# Altium PCB BallastControlBoard_4902-003.PcbDoc (continued)
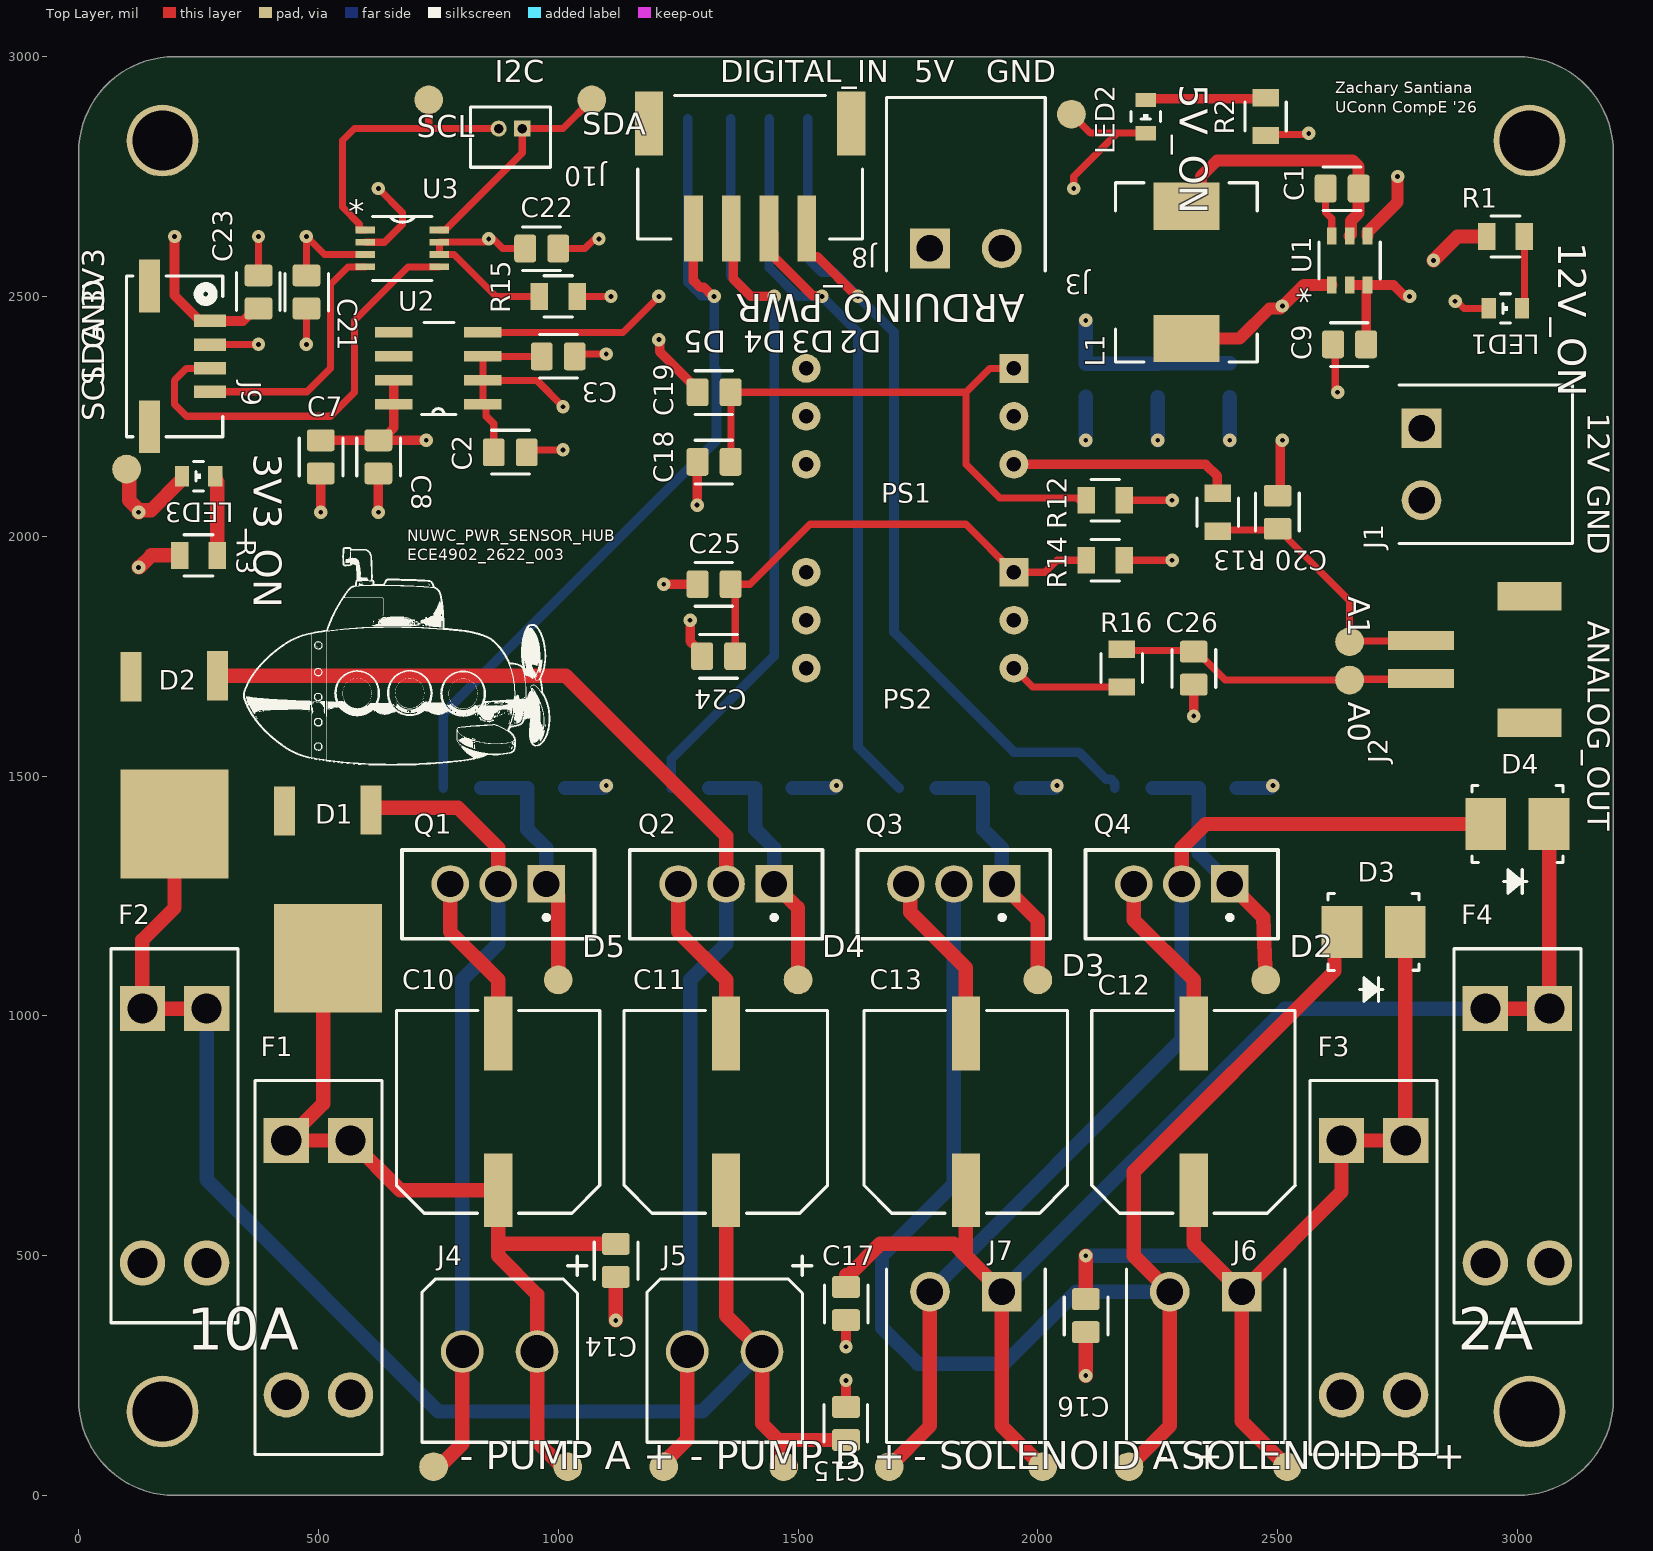
[diagram p0: Top Layer view]
## Board outline (continued)

## Design rules (kind name [scope] priority, off if disabled: settings)
Clearance [All] p1: gap=10 ignorepadtopadclearanceinfootprint=FALSE except(4.92: Arc-Arc Arc-Track Arc-SMDPad Arc-THPad Arc-Via Track-Track Track-SMDPad Track-THPad Track-Via; 6.89: SMDPad-SMDPad SMDPad-Text; 8: SMDPad-Via)
HoleSize [All] p1: absolutevalues=TRUE maxlimit=225 minlimit=7 maxpercent=80.000 minpercent=20.000
MinimumSolderMaskSliver [All] p1: minsoldermaskwidth=7.5
PlaneClearance [All] p1: clearance=20
PlaneConnect [All] p1: planeconnectstyle=Relief reliefexpansion=20 reliefentries=4 reliefconductorwidth=10 reliefairgap=10
PolygonConnect [All] p1: connectstyle=Relief reliefconductorwidth=10 reliefentries=4 polygonreliefangle="90 Angle" airgapwidth=10
RoutingVias [All] p1: holewidth=28 width=50 viastyle="Through Hole" minholewidth=28 minwidth=50 maxholewidth=28 maxwidth=50
SilkToSilkClearance [All] p1: silktosilkclearance=7.5
SilkToSolderMaskClearance [IsPad] p1: minsilkscreentomaskgap=7.5 clearancetoexposedcopper=FALSE
SolderMaskExpansion [All] p1: expansion=4 istentingtop=FALSE
SupplyNets "Schematic Supply Nets" [InNet('GND')] p1: voltage=0.000
Width [All] p1: maxlimit=30 minlimit=10 preferedwidth=15
24 further rules are at their usual default settings.

## Classes and differential pairs
component class NUWC_Ballast_Sensor_Power_Interface_Board: C1 C2 C3 C4 C5 C6 C7 C8 C9 C10 C11 C12 C13 C14 C15 C16 C17 C18 C19 C20 C21 C22 C23 C24 C25 C26 D2 F1 F2 F3 F4 J1 J3 J4 J5 J6 J7 J8 J9 J10 L1 LED1 LED2 LED3 PS1 PS2 Q1 Q2 Q3 Q4 R1 R2 R3 R4 R5 R6 R7 R8 R9 R10 R11 R12 R13 R14 R15 R16 U1

## Components (designator, comment, footprint, x,y, rotation, side; value= is the part's Value field where it differs from the comment)
C1 "C0805C104K3RACTU" CAP_0805_KEMET 2634.45,2725 r0 top value=0.1u
C2 "C0805C106K3PACTU" CAP_0805_KEMET 900,2175 r180 top value=10u
C3 "C0805C104K3RACTU" CAP_0805_KEMET 1000,2375 r180 top value=0.1u
C4 "CL21A226MAYNNNE" CAP_0805_SAMSUNG 2400,2325 r270 bottom value=22u
C5 "CL21A226MAYNNNE" CAP_0805_SAMSUNG 2250,2325 r270 bottom value=22u
C6 "C0805C104K3RACTU" CAP_0805_KEMET 2100,2325 r90 bottom value=0.1u
C7 "C0805C106K3PACTU" CAP_0805_KEMET 505,2165.55 r90 top value=10u
C8 "C0805C104K3RACTU" CAP_0805_KEMET 625,2165.55 r90 top value=0.1u
C9 "C0805C106K3PACTU" CAP_0805_KEMET 2650,2400 r0 top value=10u
C10 "UWT1E471MNL1GS" PCAP_10x10-ELECT_NCA 875,800 r90 top value=470u
C11 "UWT1E471MNL1GS" PCAP_10x10-ELECT_NCA 1350,800 r90 top value=470u
C12 "UWT1E471MNL1GS" PCAP_10x10-ELECT_NCA 2325,800 r90 top value=470u
C13 "UWT1E471MNL1GS" PCAP_10x10-ELECT_NCA 1850,800 r90 top value=470u
C14 "C0805C104K3RACTU" CAP_0805_KEMET 1120,490 r90 top value=0.1u
C15 "C0805C104K3RACTU" CAP_0805_KEMET 1600,150 r270 top value=0.1u
C16 "C0805C104K3RACTU" CAP_0805_KEMET 2100,375 r90 top value=0.1u
C17 "C0805C104K3RACTU" CAP_0805_KEMET 1600,400 r90 top value=0.1u
C18 "C0805C106K3PACTU" CAP_0805_KEMET 1325,2155 r0 top value=10u
C19 "C0805C104K3RACTU" CAP_0805_KEMET 1325,2300 r0 top value=0.1u
C20 "C0805C104K3RACTU" CAP_0805_KEMET 2500,2050 r270 top value=0.1u
C21 "C0805C104K3RACTU" CAP_0805_KEMET 475,2509.45 r90 top value=0.1u
C22 "C0805C104K3RACTU" CAP_0805_KEMET 965.55,2600 r0 top value=0.1u
C23 "C0805C104K3RACTU" CAP_0805_KEMET 375,2509.45 r270 top value=0.1u
C24 "C0805C106K3PACTU" CAP_0805_KEMET 1334.45,1750 r0 top value=10u
C25 "C0805C104K3RACTU" CAP_0805_KEMET 1325,1900 r0 top value=0.1u
C26 "C0805C104K3RACTU" CAP_0805_KEMET 2325,1725 r90 top value=0.1u
D1 "MBRD20100CT-13" MBRD20100CT_SHOT_DIODE 609.57,1429.06 r180 top
D2 "MBRD20100CT-13" MBRD20100CT_SHOT_DIODE 289.57,1709.06 r180 top
D3 "SS34" SHOTT_DIODE 2700,1175 r180 top
D4 "SS34" SHOTT_DIODE 3000,1400 r180 top
F1 "10A" FUSE_3557-2 500,475 r90 top
F2 "10A" FUSE_3557-2 200,750 r90 top
F3 "2A" FUSE_3557-2 2700,475 r90 top
F4 "2A" FUSE_3557-2 3000,750 r90 top
J1 "BATTERY INPUT" CUI_TBP02R1-381-02BE 2800,2225 r270 top
J2 "JST-PH" JST_S2B-PH-SM4-TB 2798.62,1743.11 r270 top
J3 "ARDUINO POWER" CUI_TBP02R1-381-02BE 1775,2600 r0 top
J4 "26607020" CONN_SD-42892-001_M450_02_MOL 955.91,300 r0 top
J5 "26607020" CONN_SD-42892-001_M450_02_MOL 1425,300 r0 top
J6 "BATTERY INPUT" CUI_TBP02R1-381-02BE 2425,425 r180 top
J7 "BATTERY INPUT" CUI_TBP02R1-381-02BE 1925,425 r180 top
J8 "4POS-JST-PH" JST_S4B-PH-SM4-TB 1400,2750 r180 top
J9 "SM04B-GHS-TB" CONN_SM04B-GHS-TB_JST 200,2375 r270 top
J10 "I2C Connector" MOLEX_530470210 925,2850 r0 top
L1 "15u" inductor 2300,2550 r270 top
LED1 "GRN-12V" LED_LGR971-KN-1_OSR 2975,2475 r180 top
LED2 "RED-5V" LED_LGR971-KN-1_OSR 2225,2875 r270 top
LED3 "YEL-3V3" LED_LGR971-KN-1_OSR 250,2125 r180 top
PS1 "Pressure Sensor" PCBComponent_1 1516.93,2350 r270 top
PS2 "Pressure Sensor" PCBComponent_1 1516.93,1925 r270 top
Q1 "IRLZ44N" IFX-PG-TO220-3-904-1 875,1275 r180 top
Q2 "IRLZ44N" IFX-PG-TO220-3-904-1 1350,1275 r180 top
Q3 "IRLZ44N" IFX-PG-TO220-3-904-1 1825,1275 r180 top
Q4 "IRLZ44N" IFX-PG-TO220-3-904-1 2300,1275 r180 top
R1 "CRCW08051K00FKEA" RESC2012X50N 2975,2625 r180 top value=750R
R2 "CRCW0805560RFKEA" RESC2012X50N 2475,2875 r90 top value=220R
R3 "CRCW0805120RFKEA" RESC2012X50N 250,1960 r180 top value=120R
R4 "CRCW080510K0FKEA" RESC2012X50N 975,1475 r0 bottom value=10K
R5 "CRCW080510K0FKEA" RESC2012X50N 1450,1475 r0 bottom value=10K
R6 "CRCW080510K0FKEA" RESC2012X50N 1925,1475 r0 bottom value=10K
R7 "CRCW080510K0FKEA" RESC2012X50N 2375,1475 r0 bottom value=10K
R8 "CRCW0805220RFKEA" RESC2012X50N 800,1475 r0 bottom value=220R
R9 "CRCW0805220RFKEA" RESC2012X50N 1275,1475 r0 bottom value=220R
R10 "CRCW0805220RFKEA" RESC2012X50N 1750,1475 r0 bottom value=220R
R11 "CRCW0805220RFKEA" RESC2012X50N 2200,1475 r0 bottom value=220R
R12 "CRCW080510R0FKEA" RESC2012X50N 2140.63,2075 r180 top value=10R
R13 "CRCW08051K00FKEA" RESC2012X50N 2375,2050 r270 top value=1K
R14 "CRCW080510R0FKEA" RESC2012X50N 2140.63,1950 r180 top value=10R
R15 "CRCW080510K0FKEA" RESC2012X50N 1000,2500 r180 top value=10K
R16 "CRCW08051K00FKEA" RESC2012X50N 2175,1725 r90 top value=1K
U1 "AP63205WU-7" SOIC_05WU-7_DIO 2650,2575 r90 top
U2 "MCP1727T-3302E/SN" SOIC127P490X175-8N 750,2350 r180 top
U3 "TXS0102VDCTR" SSOP8_DCT_TEX 675,2600 r0 top

## Footprints (in the part's own frame and the unit in brackets; to place one, negate y for a bottom-side part, rotate by r counter-clockwise, add the part's x,y. Pads: shape width x height; smd on the part's side, far side on the other; paste and mask are expansions set on the pad)
CAP_0805_KEMET [mm]
  rrect25% 1.16x1.47 smd: 1(-0.875,0) 2(0.875,0)
  silkscreen extent -1.02,-1.17 0.98,1.14, body extent -1,-0.63 1,0.63, height 0.88
CAP_0805_SAMSUNG [mm]
  rrect25% 1.11x1.47 smd: 1(-0.9,0) 2(0.9,0)
  silkscreen extent -1.02,-1.12 1.02,1.12, body extent -1,-0.63 1,0.63, height 1.45
CONN_SD-42892-001_M450_02_MOL [mil]
  round 89 hole 69 paste-99999 mask+0: 1(0,0) 2(-155.91,0)
  silkscreen extent -240,-189 104,199, body extent -233,-187 77,148, height 449
CONN_SM04B-GHS-TB_JST [mil]
  rect 26x67 smd paste+0 mask+0: 1(-73.82,73.85) 2(-24.61,73.85) 3(24.61,73.85) 4(73.82,73.85)
  rect 110x43 smd paste-55 mask-55: 5(-146.65,-52.14) 6(146.65,-52.14)
  silkscreen extent -168,-101 168,101, body extent -162,-106 162,85, height 167
CUI_TBP02R1-381-02BE [mm]
  rect 2.1x2.1 / inner round 2.1 / far side rect 2.1x2.1 hole 1.4: 1(0,0)
  round 2.1 hole 1.4: 2(3.81,0)
  silkscreen extent -2.3,-1.2 6.11,8, body extent -2.24,-1.3 6.17,7.9, height 7.52
FUSE_3557-2 [mm]
  round 2.4 hole 1.6: 1_1(-6.735,1.7) 1_2(-6.735,-1.7)
  rect 2.4x2.4 hole 1.6: 2_1(6.735,1.7) 2_2(6.735,-1.7)
  silkscreen extent -9.9,-3.36 9.9,3.36, body extent -9.93,-3.38 9.88,3.35, height 7.37
IFX-PG-TO220-3-904-1 [mm] "TO,flange mount,2.54 mm pitch, 3 pin, 10.16 mm L X 4.57 mm W X 20.56 mm H body"
  rect 1.99x1.99 hole 1.39: 1(-2.54,0)
  round 1.99 hole 1.39: 2(0,0) 3(2.54,0)
  silkscreen extent -5.1,-1.8 5.1,2.9, body extent -5.16,-1.72 5.16,2.86, height 19.84
inductor [mm]
  rect 2.5x3.5 smd: 1(-3.5,0.25) 2(3.5,0.25)
  silkscreen extent -4.75,-3.5 4.75,4, body extent -4.57,-3.3 4.57,3.81, height 4
JST_S2B-PH-SM4-TB [mm]
  rect 1x3.5 smd: 1(1,0) 2(-1,0)
  rect 1.5x3.4 smd: P1(3.35,5.75) P2(-3.35,5.75)
  body extent -3.95,-1.23 3.95,7.37, height 5.7
JST_S4B-PH-SM4-TB [mm]
  rect 1x3.5 smd: 1(-3,2.75) 2(-1,2.75) 3(1,2.75) 4(3,2.75)
  rect 1.5x3.4 smd: SH1(-5.35,-2.8) SH2(5.35,-2.8)
  silkscreen extent -5.95,-4.3 5.95,3.3, body extent -5.95,-4.3 5.95,4.3, height 5.5
LED_LGR971-KN-1_OSR [mil]
  rect 30x43 smd paste+0 mask+0: 1(-34.5,0) 2(34.5,0)
  silkscreen extent -10,-30 10,30, body extent -39,-26 39,26, height 32
MBRD20100CT_SHOT_DIODE [mm] "DIODE ARR SCHOT 100V 10A TO2523"
  rect 1.1x2.6 smd: 1(0,0) 3(4.575,0.05)
  rect 5.7x5.75 smd: 2(2.275,7.85)
  body extent -0.51,-0.76 5.08,10.67, height 2.19
MOLEX_530470210 [mm]
  rect 0.85x0.85 / inner round 0.85 / far side rect 0.85x0.85 hole 0.5 mask+0.076: 1(0,0)
  round 0.85 hole 0.5 mask+0.076: 2(-1.25,0)
  silkscreen extent -2.75,-2.05 1.5,1.15, body extent -2.66,-2.11 1.59,1.09, height 4.33
PCAP_10x10-ELECT_NCA [mil]
  rect 154x59 smd paste+0 mask+0: 1(-163.5,0) 2(163.5,0)
  silkscreen extent -212,-212 212,213, body extent -221,-206 221,206, height 415
PCBComponent_1 [mil]
  rect 60x60 hole 30: 1(0,433.07)
  round 60 hole 30: 2(100,433.07) 3(200,433.07) 4(200,0) 5(100,0) 6(0,0)
  body extent -30,-20 230,460, height 236
RESC2012X50N [mm]
  rect 0.92x1.42 smd: 1(-1,0) 2(1,0)
  silkscreen extent -0.76,-1.09 0.76,1.09, body extent -1,-0.63 1,0.63, height 0.5
SHOTT_DIODE [mil]
  rect 85x108 smd paste+0 mask+0: 1(-66,0) 2(66,0)
  silkscreen extent -95,-80 95,145, body extent -90,-75 90,75, height 97
SOIC127P490X175-8N [mil]
  rect 78x22 smd paste+0 mask+4.02: 1(-93,75) 2(-93,25) 3(-93,-25) 4(-93,-75) 5(93,-75) 6(93,-25) 7(93,25) 8(93,75)
  silkscreen extent -37,-96 35,96, body extent -118,-96 118,96, height 69
SOIC_05WU-7_DIO [mm]
  rect 0.896x0.507 smd paste+0 mask+0: 1(-1.299,0.95) 2(-1.299,0) 3(-1.299,-0.95) 4(1.299,-0.95) 5(1.299,0) 6(1.299,0.95)
  silkscreen extent -0.98,-1.63 0.98,1.63, body extent -1.4,-1.5 1.4,1.5, height 0.99
SSOP8_DCT_TEX [mm]
  rect 1.023x0.355 smd paste+0 mask+0: 1(-1.959,0.975) 2(-1.959,0.325) 3(-1.959,-0.325) 4(-1.959,-0.975) 5(1.959,-0.975) 6(1.959,-0.325) 7(1.959,0.325) 8(1.959,0.975)
  silkscreen extent -1.57,-1.7 1.57,1.7, body extent -2.12,-1.58 2.12,1.58, height 1.3

## Part data
C1 C3 C6 C8 C14 C15 C16 C17 C19 C20 C21 C22 C23 C25 C26: "Capacitor;Ceramic;Cap;.0.1uF;Tol 10%;SMT;Vol-Rtg 25V;X7R;Tape and Reel", Package="805-2 KEMET", Check_prices=https://www.snapeda.com/parts/C0805C104K3RACTU/KEMET/view-part/?ref=eda, MF=KEMET, MP=C0805C104K3RACTU, SnapEDA_Link=https://www.snapeda.com/parts/C0805C104K3RACTU/KEMET/view-part/?ref=snap
C2 C7 C9 C18 C24: "Capacitor;Ceramic;Cap;.10uF;Tol 10%;SMT;Vol-Rtg 25V;X5R;Tape and Reel", Package="805-2 KEMET", Check_prices=https://www.snapeda.com/parts/C0805C104K3RACTU/KEMET/view-part/?ref=eda, MF=KEMET, MP=C0805C106K3PACTU, SnapEDA_Link=https://www.snapeda.com/parts/C0805C104K3RACTU/KEMET/view-part/?ref=snap
C4 C5: "Multilayer Ceramic Capacitors MLCC - SMD/SMT 22uF+/-20% 25V X5R 2012", Package="SMD-2 Samsung", Check_prices=https://www.snapeda.com/parts/CL21A226MAYNNNE/Samsung/view-part/?ref=eda, MF="Samsung Electro-Mechanics", MP=CL21A226MAYNNNE, SnapEDA_Link=https://www.snapeda.com/parts/CL21A226MAYNNNE/Samsung/view-part/?ref=snap
C10 C11 C12 C13: library part UWT1E471MNL1GS_1, "470u", Manufacturer_Name=Nichicon, Copyright="Copyright (C) 2025 Ultra Librarian. All rights reserved.", Manufacturer_Part_Number=UWT1E471MNL1GS
D1 D2: "DIODE ARR SCHOT 100V 10A TO2523 / Diodes Incorporated"
D3 D4: "Description", Manufacturer_Name=onsemi, Copyright="Copyright (C) 2025 Ultra Librarian. All rights reserved.", Manufacturer_Part_Number=SS34, RefDes=RefDes, Type=Type
F1 F2 F3 F4: library part 3557-2, "THM 2 in 1 Auto Blade Holder", Package="Nonstandard Keystone", Availability="In Stock", Check_prices=https://www.snapeda.com/parts/3557-2/Keystone+Electronics/view-part/?ref=eda, MF="Keystone Electronics", MP=3557-2, Price=None, Purchase-URL=https://pricing.snapeda.com/search/part/3557-2/?ref=eda, SnapEDA_Link=https://www.snapeda.com/parts/3557-2/Keystone+Electronics/view-part/?ref=snap
J1 J3 J6 J7: library part TBP02R1-381-02BE, "2~24 Poles, Pluggable,Receptacle, Horizontal, 3.81 Pitch, Terminal Block Connector", Package=None, Check_prices=https://www.snapeda.com/parts/TBP02R1-381-02BE/Same+Sky/view-part/?ref=eda, MF="Same Sky", MP=TBP02R1-381-02BE, SnapEDA_Link=https://www.snapeda.com/parts/TBP02R1-381-02BE/Same+Sky/view-part/?ref=snap
J2: library part JST_PH_2POS_SMD_RA
J4 J5: "KK 396 Solid Right-Angle Header, Friction Lock, with Snap-in Plastic Peg  PCB Lock, 2 Circuits, Tin (Sn) Plating", Manufacturer_Name="Molex Connector Corporation", Copyright="Copyright (C) 2026 Ultra Librarian. All rights reserved.", Datasheet=https://www.molex.com/en-us/products/part-detail-pdf/26607020?display=pdf, Manufacturer_Part_Number=26607020, RefDes=RefDes, Type=Type
J8: library part S4B-PH-SM4-TB, "Connector Header Surface Mount, Right Angle 4 position 0.079 (2.00mm)", Package=None, Check_prices=https://www.snapeda.com/parts/S4B-PH-SM4-TB/JST/view-part/?ref=eda, MF="JST Sales", MP=S4B-PH-SM4-TB, SnapEDA_Link=https://www.snapeda.com/parts/S4B-PH-SM4-TB/JST/view-part/?ref=snap
J9: "Description", Manufacturer_Name=JST, Copyright="Copyright (C) 2025 Ultra Librarian. All rights reserved.", Manufacturer_Part_Number=SM04B-GHS-TB, RefDes=RefDes, Type=Type
J10: "Connector Header Through Hole 2 position 0.049 (1.25mm)", Package=None, Check_prices=https://www.snapeda.com/parts/530470210/Molex/view-part/?ref=eda, Digi-Key_Part_Number=WM1731-ND, MF=Molex, MP=530470210, Purchase-URL=https://pricing.snapeda.com/search/part/530470210/?ref=eda, SnapEDA_Link=https://www.snapeda.com/parts/530470210/Molex/view-part/?ref=snap
L1: library part Inductor
LED1: library part LGR971-KN-1, "GREEN DIFF LED", Manufacturer_Name="ams OSRAM", Copyright="Copyright (C) 2025 Ultra Librarian. All rights reserved.", Manufacturer_Part_Number=LGR971-KN-1
LED2: library part "LS R976-NR-1-0-20-R18", "RED DIFF LED", Manufacturer_Name="ams OSRAM", Manufacturer_Part_Number=LGR971-KN-1, Copyright="Copyright (C) 2025 Ultra Librarian. All rights reserved."
LED3: library part "LY R976-PS-36-0-20-R18", "YEL DIFF LED", Manufacturer_Name="ams OSRAM", Manufacturer_Part_Number=LGR971-KN-1, Copyright="Copyright (C) 2025 Ultra Librarian. All rights reserved."
Q1 Q2 Q3 Q4: "OptiMOS 3 Power-Transistor, VDS 100V", Manufacturer="Infineon Technologies", Manufacturer Order Number=IRLZ44N, PackageReference=PG-TO220-3-904
R1 R13 R16: "Resistor,Thick Film,1 Kilohms,0.125 W,1%,SMT,0805,TCR 37 ppm/DegC,Cut Tape", Package="2012 Vishay", Check_prices=https://www.snapeda.com/parts/CRCW08051K00FKEA/Vishay+Dale/view-part/?ref=eda, MF=Vishay, MP=CRCW08051K00FKEA, SnapEDA_Link=https://www.snapeda.com/parts/CRCW08051K00FKEA/Vishay+Dale/view-part/?ref=snap
R2: "Resistor,Thick Film,560 Ohms,0.125 W,1%,SMT,0805,TCR 37 ppm/DegC,Cut Tape", Package="2012 Vishay", Check_prices=https://www.snapeda.com/parts/CRCW08051K00FKEA/Vishay+Dale/view-part/?ref=eda, MF=Vishay, MP=CRCW08051K00FKEA, SnapEDA_Link=https://www.snapeda.com/parts/CRCW08051K00FKEA/Vishay+Dale/view-part/?ref=snap
R3: "Resistor,Thick Film,120 Ohms,0.125 W,1%,SMT,0805,TCR 37 ppm/DegC,Cut Tape", Package="2012 Vishay", Check_prices=https://www.snapeda.com/parts/CRCW08051K00FKEA/Vishay+Dale/view-part/?ref=eda, MF=Vishay, MP=CRCW08051K00FKEA, SnapEDA_Link=https://www.snapeda.com/parts/CRCW08051K00FKEA/Vishay+Dale/view-part/?ref=snap
R4 R5 R6 R7 R15: "Resistor,Thick Film,10 Kilohms,0.125 W,1%,SMT,0805,TCR 37 ppm/DegC,Cut Tape", Package="2012 Vishay", Check_prices=https://www.snapeda.com/parts/CRCW08051K00FKEA/Vishay+Dale/view-part/?ref=eda, MF=Vishay, MP=CRCW08051K00FKEA, SnapEDA_Link=https://www.snapeda.com/parts/CRCW08051K00FKEA/Vishay+Dale/view-part/?ref=snap
R8 R9 R10 R11: "Resistor,Thick Film,220 Ohms,0.125 W,1%,SMT,0805,TCR 37 ppm/DegC,Cut Tape", Package="2012 Vishay", Check_prices=https://www.snapeda.com/parts/CRCW08051K00FKEA/Vishay+Dale/view-part/?ref=eda, MF=Vishay, MP=CRCW08051K00FKEA, SnapEDA_Link=https://www.snapeda.com/parts/CRCW08051K00FKEA/Vishay+Dale/view-part/?ref=snap
R12 R14: "Resistor,Thick Film, 10 Ohms,0.125 W,1%,SMT,0805,TCR 37 ppm/DegC,Cut Tape", Package="2012 Vishay", Check_prices=https://www.snapeda.com/parts/CRCW08051K00FKEA/Vishay+Dale/view-part/?ref=eda, MF=Vishay, MP=CRCW08051K00FKEA, SnapEDA_Link=https://www.snapeda.com/parts/CRCW08051K00FKEA/Vishay+Dale/view-part/?ref=snap
U1: "Description", Manufacturer_Name="Diodes Inc", Copyright="Copyright (C) 2025 Ultra Librarian. All rights reserved.", Manufacturer_Part_Number=AP63205WU-7, RefDes=RefDes, Type=Type
U2: "1.5A CMOS LDO, Vout=3.3V, Extended Temp Range", Package="SO-8 Microchip", Check_prices=https://www.snapeda.com/parts/MCP1727T-3302E/SN/Microchip+Technology/view-part/?ref=eda, MF="Microchip Technology", MP=MCP1727T-3302E/SN, SnapEDA_Link=https://www.snapeda.com/parts/MCP1727T-3302E/SN/Microchip+Technology/view-part/?ref=snap
U3: "Two-bit bidirectional level shifter for open-drain and push-pull applications 8-SSOP -40 to 85", Manufacturer_Name="Texas Instruments", Copyright="Copyright (C) 2025 Ultra Librarian. All rights reserved.", Manufacturer_Part_Number=TXS0102VDCTR, RefDes=RefDes, Type=Type

## Free pads (board coordinates)
  round 150 hole 125: 1(175,175) 1(175,2825) 1(3025,175) 1(3025,2825)
  round 60 smd: 25(1220,60) 26(1470,60) 27(1690,60) 28(2010,60) 29(740,60) 30(1020,60) 31(2190,60) 32(2520,60) 33(2070,2880) 34(1070,2910) 35(730,2910) 40(2650,1780) 41(2650,1700) 42(100,2140) 43(1000,1075) 44(1500,1075) 45(2475,1075) 46(2000,1075)
  round 60 smd far side: 36(1360,2870) 37(1440,2870) 38(1520,2870) 39(1270,2870)
  round 28 hole 10: 47(2100,500)

## Via types
v1: diameter 28, hole 10, Top Layer to Bottom Layer, 50 vias

## Nets (pads, with @x,y where several pads share a name; then routed paths per layer and width w, separated by ;. In a path a pad name is that pad's centre, name@x,y a point inside that pad or via, vN(x,y) a via of type N, cw(c..) or ccw(c..) an arc to the next point about the centre after c; other vN are vias at no path point)
3V3: C7.2 C8.2 C21.2 C23.2 J9.1 LED3.2 pad.42 U2.7 U2.8 U3.3 | length 1105.7
  Top Layer w15: C21.2 v1(475,2625) 512.8,2587.2 U3.3
  Top Layer w20: v1(200,2625) 200,2502.17 253.35,2448.82 J9.1 342.72,2448.82 C23.2@368.9,2475 ; C7.2 C8.2@605,2200 ; C8.2 v1(725,2200) ; C8.2@631.1,2200 657,2225.9 U2.8 U2.7
  Top Layer w30: pad.42 105.74,2134.26 105.74,2074.67 125,2055.41 v1(125,2050) 128.83,2053.83 150.83,2053.83 215.5,2118.5 LED3.2
3VL: LED3.1 R3.1 | length 152
  Top Layer w30: LED3.1 284.5,2118.5 289.37,2113.63 R3.1@289.37,1975
5V: C2.2 C3.2 C4.1 C5.1 C6.2 C22.1 J3.1 L1.2 LED2.2 pad.33 R12.1 R14.1 R15.2 U1.1 U2.1 U2.2 U2.3 U3.6 U3.7 | length 2248.3
  Top Layer w15: C2.2 865.55,2234.45 849.71,2250.29 849.71,2271.5 846.21,2275 U2.1 U2.2 ; C22.1 884.47,2600 864.47,2620 v1(855,2620) 848.31,2613.31 752.66,2613.31 U3.7 U3.6 782.8,2587.2 870,2500 R15.2 ; C3.2 U2.3 U2.2 ; v1(1010,2270) 955,2325 U2.2 ; pad.33 2109.5,2840.5 2165.5,2840.5 ; v1(2075,2725) 2075,2750 2165.5,2840.5 ; R14.1 v1(2280,1950) ; R12.1 v1(2280,2075) ; LED2.2 2165.5,2840.5
  Top Layer w25: L1.2@2329.53,2412.2 2420.41,2412.2 2483.42,2475.22 2505.88,2475.22 2554.53,2523.86 U1.1
  Top Layer w30: L1.2 L1.2@2329.53,2412.2
  Bottom Layer w30: v1(2100,2450) C6.2 2100.49,2359.94 2249.51,2359.94 C5.1 C4.1
  other v1: 2510,2480
5VL: LED2.1 R2.2 | length 252
  Top Layer w20: LED2.1 2227.43,2911.93 2472.56,2911.93 R2.2
12V: C9.2 F1.1_1 F1.1_2 F2.1_1 F2.1_2 F3.1_1 F3.1_2 F4.1_1 F4.1_2 J1.1 LED1.2 U1.2 U1.3 | length 336.7
  Top Layer w15: v1(2870,2490) 2873.52,2490 2888.52,2475 LED1.2
  Top Layer w20: U1.2 U1.3 ; C9.2 2684.45,2513.25 2687.4,2516.2 U1.3 ; v1(2775,2500) 2765.53,2500 2741.67,2523.86 U1.3
12VL: LED1.1 R1.1 | length 152
  Top Layer w15: LED1.1 3009.5,2481.5 3014.37,2486.37 R1.1
A0: C26.2 J2.1 pad.41 R16.2 | length 651.8
  Top Layer w15: R16.2 2177.46,1761.91 2322.54,1761.91 C26.2 2331.1,1759.45 2390.55,1700 pad.41 2651.87,1701.87 2796.75,1701.87 J2.1
A1: C20.2 J2.2 pad.40 R13.2 | length 571.8
  Top Layer w15: R13.2 2377.46,2013.09 2497.54,2013.09 C20.2 ; C20.2@2506.1,2015.55 2521.44,2000.22 2521.44,1994.11 2650,1865.55 pad.40 2651.24,1781.24 2797.38,1781.24 J2.2
BST_drive: C1.1 U1.6 | length 104.1
  Top Layer w15: C1.1 2600,2675 2612.6,2662.4 U1.6
D2: J8.1 pad.38 R11.1 | length 1954.6
  Top Layer w20: J8.1 1518.11,2592.52 1527.8,2582.83 1540,2582.83 1622.84,2500 v1(1625,2500)
  Bottom Layer w20: pad.38 1520,2580 1550,2550 1575,2550 1700,2425 1700,1800 1950,1550 2085.63,1550 2142.68,1492.95 2152.52,1492.95 2160.63,1484.84 R11.1
D3: J8.2 pad.37 R10.1 | length 1734.6
  Top Layer w20: J8.2 1449.06,2632.05 1449.06,2582.83 1530.36,2501.53 1548.47,2501.53 v1(1550,2500)
  Bottom Layer w20: pad.37 1440,2560 1500,2500 v1(1550,2500) 1625,2425 1625,1560.63 R10.1
D4: J8.3 pad.36 R9.1 | length 1756.3
  Top Layer w20: J8.3 1365.28,2637.08 1365.28,2536.43 1401.72,2500 v1(1450,2500)
  Bottom Layer w20: R9.1 1235.63,1535.63 1450,1750 v1(1450,2500) 1401.88,2500 1360,2541.88 pad.36
D5: J8.4 pad.39 R8.1 | length 1835.7
  Top Layer w20: J8.4 1281.89,2533.26 1296.03,2519.12 1303.72,2519.12 1322.84,2500 v1(1325,2500)
  Bottom Layer w20: R8.1 760.63,1630.63 1330,2200 1330,2346.42 1325,2351.42 v1(1325,2500) 1323.47,2501.53 1298.47,2501.53 1270,2530 pad.39
GND: C2.1 C3.1 C4.2 C5.2 C6.1 C7.1 C8.1 C9.1 C10.2 C11.2 C12.2 C13.2 C14.1 C15.1 C16.1 C17.1 C18.1 C19.1 C20.1 C21.1 C22.2 C23.1 C24.1 C25.1 C26.1 J1.2 J3.2 J9.2 pad.1 PS1.2 PS2.2 Q1.3 Q2.3 Q3.3 Q4.3 R1.2 R2.1 R3.2 R4.2 R5.2 R6.2 R7.2 R15.1 U1.4 U2.4 U3.2 | length 4762.2
  Top Layer w15: J9.2 274.04,2399.8 374.8,2399.8 v1(375,2400) ; C23.1 v1(375,2625) ; v1(475,2400) C21.1 ; U3.2 637.8,2612.8 675,2650 675,2675 v1(625,2725) ; U2.4 1135,2425 v1(1210,2500) ; C2.1 939.45,2180 v1(1010,2180) ; C22.2 1055.53,2600 1075.53,2620 v1(1085,2620) ; C3.1 1039.45,2380 v1(1100,2380) ; R15.1 v1(1110,2500) ; R2.1 2477.18,2837.81 2562.81,2837.81 v1(2565,2840) ; C9.1 2620.28,2395.28 2620.28,2304.72 v1(2625,2300)
  Top Layer w20: v1(505,2050) C7.1 ; v1(625,2050) C8.1 ; v1(1210,2410) 1211.53,2408.47 1211.53,2385.12 1290.55,2306.1 C19.1 ; v1(1220,1900) C25.1@1275,1900 ; v1(1275,1825) 1275,1780.65 1286.72,1768.94 1287.17,1768.94 1300,1756.1 C24.1 ; v1(1289.45,2065) 1290,2065.55 1290,2154.45 C18.1 ; C15.1 v1(1600,240) ; v1(1600,310) C17.1 ; v1(2325,1625) C26.1 ; C20.1 2505,2089.45 2505,2195 v1(2510,2200)
  Top Layer w25: U1.4 2687.4,2633.8 2750,2696.39 v1(2750,2750)
  Top Layer w30: v1(125,1935) 126.81,1935 151.81,1960 R3.2 ; Q1.3 775,1175 875,1075 C10.2 ; v1(1120,365) C14.1 ; Q2.3 1250,1175 1350,1075 C11.2 ; Q3.3 1734.25,1265.75 1734.25,1215.75 1850,1100 C13.2 ; v1(2100,250) C16.1@2100,325 ; Q4.3 2200,1200 2325,1075 C12.2 ; v1(2825,2575) 2875,2625 R1.2
  Bottom Layer w30: R4.2 1095,1475 v1(1100,1480) ; R5.2 1575,1475 v1(1580,1480) ; R6.2 2035,1475 v1(2040,1480) ; v1(2100,2200) C6.1 ; v1(2250,2200) C5.2 ; v1(2400,2200) C4.2 ; R7.2 2485,1475 v1(2490,1480)
P1+: C10.1 C14.2 D1.2 F1.2_1 F1.2_2 J4.1 pad.30 | length 1769.9
  Top Layer w30: D1.2@500,1125 510,1115 510,817.09 F1.2_1 F1.2_2 670.59,636.5 C10.1 875,525 ; pad.30 1000,68.12 955.91,112.21 J4.1 955.91,419.09 875,500 875,525 ; C14.2@1097.43,525 875,525
P1D: D1.1 J4.2 pad.29 Q1.2 | length 1651.4
  Top Layer w30: D1.1@609.57,1434.06 790.94,1434.06 875,1350 Q1.2 ; pad.29 760,68.12 800,108.12 J4.2
  Bottom Layer w30: J4.2 800,1075 875,1150 Q1.2
P1G: pad.43 Q1.1 R4.1 R8.2 | length 522.9
  Top Layer w30: Q1.1 1000,1250 pad.43
  Bottom Layer w30: R8.2 R4.1 935.63,1389.37 975,1350 Q1.1
P2+: C11.1 C15.2 D2.2 F2.2_1 F2.2_2 J5.1 pad.26 | length 3080.2
  Top Layer w30: D2.2 200,1225 133.07,1158.07 F2.2_1 F2.2_2 ; C11.1 1350,375 J5.1 1425,150 1459.45,115.55 ; pad.26 1464.26,65.74 1464.26,110.74 1459.45,115.55 ; C15.2 1459.45,115.55
  Bottom Layer w30: F2.2_2 266.93,658.07 750,175 1300,175 J5.1
P2D: D2.1 J5.2 pad.25 Q2.2 | length 2567.7
  Top Layer w30: D2.1 1015.94,1709.06 1350,1375 Q2.2 ; pad.25 1220,67.88 1269.09,116.97 J5.2
  Bottom Layer w30: J5.2 1275,305.91 1275,1075 1350,1150 Q2.2
P2G: pad.44 Q2.1 R5.1 R9.2 | length 533.3
  Top Layer w30: Q2.1 1500,1225 pad.44
  Bottom Layer w30: R9.2 R5.1 1410.63,1389.37 1450,1350 Q2.1
RawA0: PS2.3 R16.1 | length 241.3
  Top Layer w15: PS2.3 1989.37,1685.63 R16.1
RawA1: PS1.3 R13.1 | length 471
  Top Layer w20: PS1.3 2350,2150 2374.24,2125.76 2374.24,2090.13 R13.1
S1+: C12.1 C16.2 D3.1 F3.2_1 F3.2_2 J6.1 pad.32 pad.47 | length 2074.3
  Top Layer w30: C16.2 pad.47 ; C12.1 2325,525 J6.1 ; pad.32 2425,155 J6.1 ; D3.1 2766,741.09 F3.2_2 F3.2_1 2633.07,633.07 J6.1
  Bottom Layer w30: pad.47 2350,500 J6.1
S1D: D3.2 J6.2 pad.31 Q3.2 | length 3041.4
  Top Layer w30: pad.31 2275,145 J6.2 2200,500 2200,675 2618.57,1093.57 2618.57,1159.57 D3.2
  Bottom Layer w30: Q3.2 1825,650 1675,500 1675,350 1750,275 1930.37,275 2080.37,425 J6.2
S1G: pad.46 Q3.1 R6.1 R10.2 | length 543.6
  Top Layer w30: Q3.1 2000,1200 pad.46
  Bottom Layer w30: R10.2 R6.1 1885.63,1389.37 1925,1350 Q3.1
S2+: C13.1 C17.2 D4.1 F4.2_1 F4.2_2 J7.1 pad.28 | length 2701.9
  Top Layer w30: 1600,459.45 1606.1,459.45 1671.65,525 1825,525 1850,500 ; C13.1 1850,500 ; pad.28 1925,145 J7.1 1850,500 ; F4.2_1 F4.2_2 3066,1016.09 D4.1
  Bottom Layer w30: J7.1 2515.16,1015.16 F4.2_1
S2D: D4.2 J7.2 pad.27 Q4.2 | length 2197.4
  Top Layer w30: pad.27 1775,145 J7.2 ; Q4.2 2300,1350 2350,1400 D4.2
  Bottom Layer w30: J7.2 2300,950 Q4.2
S2G: pad.45 Q4.1 R7.1 R11.2 | length 552
  Top Layer w30: Q4.1 2470,1205 pad.45
  Bottom Layer w30: R11.2 R7.1 2335.63,1339.37 Q4.1
SCL3: J9.4 U3.4 | length 534.4
  Top Layer w15: J9.4 476.18,2301.18 525,2350 525,2525 561.61,2561.61 U3.4
SCL5: J10.2 pad.35 U3.1 | length 609.7
  Top Layer w15: U3.1 585.74,2638.39 585.22,2638.9 585.22,2651.03 550,2686.25 550,2825 575,2850 730,2850 ; pad.35 730,2850 ; J10.2 730,2850
SDA3: J9.3 U3.5 | length 913.8
  Top Layer w15: J9.3 273.45,2350 225,2350 200,2325 200,2275 225,2250 525,2250 575,2300 575,2450 686.61,2561.61 U3.5
SDA5: J10.1 pad.34 U3.8 | length 460.2
  Top Layer w15: U3.8 764.26,2638.39 925,2799.12 J10.1 1010,2850 pad.34
sw_induct: C1.2 L1.1 U1.5 | length 575.6
  Top Layer w25: L1.1 2340,2717.95 2340,2750 2373.79,2783.79 2656.21,2783.79 2668.9,2771.1 C1.2 2668.9,2673.56 2652.48,2657.15 2652.48,2628.62 U1.5
VPS1: C18.2 C19.2 PS1.1 R12.2 | length 1178.2
  Top Layer w15: C18.2@1360,2149.18 1360,2300 1850,2300 ; PS1.1 1900,2350 1850,2300 ; R12.2@2085.63,2075 2080.63,2080 1920,2080 1850,2150 1850,2300
VPS2: C24.2 C25.2 PS2.1 R14.2 | length 995.4
  Top Layer w15: C25.2 C25.2@1368.9,1900 ; C24.2 C25.2@1368.9,1900 ; R14.2 2040,1950 2015,1925 PS2.1 1850,2025 1525,2025 1400,1900 C25.2@1368.9,1900
pads on no net: D1.3 D2.3 J2.P1 J2.P2 J8.SH1 J8.SH2 J9.5 J9.6 PS1.4 PS1.5 PS1.6 PS2.4 PS2.5 PS2.6 U2.5 U2.6

## Polygon pours and split planes (outlines as drawn)
GND on Layer 1 (split plane): 3011.77,2979.61 3023.49,2978.46 3035.12,2976.54 3046.59,2973.86 3057.86,2970.44 3068.88,2966.29 3079.61,2961.43 3090,2955.88 3100,2949.66 3109.57,2942.8 3118.68,2935.33 3127.28,2927.28 3135.33,2918.68 3142.8,2909.57 3149.66,2900 3155.88,2890 3161.43,2879.61 3166.29,2868.88 3170.44,2857.86 3173.86,2846.59 3176.54,2835.12 3178.46,2823.49 3179.61,2811.77 3179.97,2800.71 3179.9,2800 3179.9,200 3179.97,199.29 3179.61,188.23 3178.46,176.51 3176.54,164.88 3173.86,153.41 3170.44,142.14 3166.29,131.12 3161.43,120.39 3155.88,110 3149.66,100 3142.8,90.43 3135.33,81.32 3127.28,72.72 3118.68,64.67 3109.57,57.2 3100,50.34 3090,44.12 3079.61,38.57 3068.88,33.7 3057.86,29.56 3046.59,26.14 3035.12,23.46 3023.49,21.54 3011.77,20.39 3000.71,20.03 3000,20.1 200,20.1 199.29,20.03 188.23,20.39 176.51,21.54 164.88,23.46 153.41,26.14 142.14,29.56 131.12,33.71 120.39,38.57 110,44.12 100,50.34 90.43,57.2 81.32,64.67 72.72,72.72 64.67,81.32 57.2,90.43 50.34,100 44.12,110 38.57,120.39 33.7,131.12 29.56,142.14 26.14,153.41 23.46,164.88 21.54,176.51 20.39,188.23 20.03,199.29 20.1,200 20.1,2800 20.03,2800.71 20.39,2811.77 21.54,2823.49 23.46,2835.12 26.14,2846.59 29.56,2857.86 33.7,2868.88 38.57,2879.61 44.12,2890 50.34,2900 57.2,2909.57 64.67,2918.68 72.72,2927.28 81.32,2935.33 90.43,2942.8 100,2949.66 110,2955.88 120.39,2961.43 131.12,2966.29 142.14,2970.44 153.41,2973.86 164.88,2976.54 176.51,2978.46 188.23,2979.61 199.29,2979.97 200,2979.9 3000,2979.9 3000.71,2979.97
12V on Layer 2 (split plane): 3179.9,200 3179.97,199.29 3179.61,188.23 3178.46,176.51 3176.54,164.88 3173.86,153.41 3170.44,142.14 3166.29,131.12 3161.43,120.39 3155.88,110 3149.66,100 3142.8,90.43 3135.33,81.32 3127.28,72.72 3118.68,64.67 3109.57,57.2 3100,50.34 3090,44.12 3079.61,38.57 3068.88,33.7 3057.86,29.56 3046.59,26.14 3035.12,23.46 3023.49,21.54 3011.77,20.39 3000.71,20.03 3000,20.1 200,20.1 199.29,20.03 188.23,20.39 176.51,21.54 164.88,23.46 153.41,26.14 142.14,29.56 131.12,33.71 120.39,38.57 110,44.12 100,50.34 90.43,57.2 81.32,64.67 72.72,72.72 64.67,81.32 57.2,90.43 50.34,100 44.12,110 38.57,120.39 33.7,131.12 29.56,142.14 26.14,153.41 23.46,164.88 21.54,176.51 20.39,188.23 20.03,199.29 20.1,200 20.1,1829.9 1166.68,1829.9 1179.9,1816.68 1179.9,1620 1180.29,1616.08 1181.43,1612.31 1183.29,1608.83 1185.79,1605.79 1245.79,1545.79 1248.83,1543.29 1252.31,1541.43 1256.08,1540.29 1260,1539.9 2360,1539.9 2363.92,1540.29 2367.69,1541.43 2371.17,1543.29 2374.21,1545.79 2584.21,1755.79 2586.71,1758.83 2588.57,1762.31 2589.71,1766.08 2590.1,1770 2590.1,2411.68 2639.21,2460.79 2664.21,2485.79 2666.71,2488.83 2668.57,2492.31 2669.71,2496.08 2670.1,2500 2670.1,2541.68 2783.32,2654.9 3175,2654.9 3178.92,2655.29 3179.9,2655.59
5V on Layer 2 (split plane): 3011.77,2979.61 3023.49,2978.46 3035.12,2976.54 3046.59,2973.86 3057.86,2970.44 3068.88,2966.29 3079.61,2961.43 3090,2955.88 3100,2949.66 3109.57,2942.8 3118.68,2935.33 3127.28,2927.28 3135.33,2918.68 3142.8,2909.57 3149.66,2900 3155.88,2890 3161.43,2879.61 3166.29,2868.88 3170.44,2857.86 3173.86,2846.59 3176.54,2835.12 3178.46,2823.49 3179.61,2811.77 3179.97,2800.71 3179.9,2800 3179.9,2694.41 3178.92,2694.71 3175,2695.1 2775,2695.1 2771.08,2694.71 2767.31,2693.57 2763.83,2691.71 2760.79,2689.21 2635.79,2564.21 2633.29,2561.17 2631.43,2557.69 2630.29,2553.92 2629.9,2550 2629.9,2508.32 2610.79,2489.21 2555.79,2434.21 2553.29,2431.17 2551.43,2427.69 2550.29,2423.92 2549.9,2420 2549.9,1778.32 2351.68,1580.1 1268.32,1580.1 1220.1,1628.32 1220.1,1825 1219.71,1828.92 1218.57,1832.69 1216.71,1836.17 1214.21,1839.21 1189.21,1864.21 1186.17,1866.71 1182.69,1868.57 1178.92,1869.71 1175,1870.1 795.1,1870.1 795.1,2525 795.1,2550 794.71,2553.92 793.57,2557.69 791.71,2561.17 789.21,2564.21 786.17,2566.71 782.69,2568.57 778.92,2569.71 775,2570.1 758.32,2570.1 714.21,2614.21 689.21,2639.21 686.17,2641.71 682.69,2643.57 678.92,2644.71 675,2645.1 558.32,2645.1 489.21,2714.21 486.17,2716.71 482.69,2718.57 478.92,2719.71 475,2720.1 20.1,2720.1 20.1,2750 20.1,2800 20.03,2800.71 20.39,2811.77 21.54,2823.49 23.46,2835.12 26.14,2846.59 29.56,2857.86 33.7,2868.88 38.57,2879.61 44.12,2890 50.34,2900 57.2,2909.57 64.67,2918.68 72.72,2927.28 81.32,2935.33 90.43,2942.8 100,2949.66 110,2955.88 120.39,2961.43 131.12,2966.29 142.14,2970.44 153.41,2973.86 164.88,2976.54 176.51,2978.46 188.23,2979.61 199.29,2979.97 200,2979.9 3000,2979.9 3000.71,2979.97
3V3 on Layer 2 (split plane): 535.79,2610.79 538.83,2608.29 542.31,2606.43 546.08,2605.29 550,2604.9 666.68,2604.9 685.79,2585.79 735.79,2535.79 754.9,2516.68 754.9,1870.1 20.1,1870.1 20.1,2679.9 466.68,2679.9

## Other copper
Layer 2 (plane layer: these items are gaps in the copper):
  lines w40: 0,1850 1175,1850 1200,1825 1200,1620 1260,1560 2360,1560 2570,1770 2570,2420 2625,2475 2650,2500 2650,2550 2775,2675 3150,2675 ; 0,2750 0,2700 475,2700 550,2625 675,2625 700,2600 750,2550 ; 350,1850 775,1850 775,2525 ; 750,2550 775,2550 775,2525 ; 750,2550 775,2525 ; 3150,2675 3175,2675 3150,2675

## Silkscreen, mask and mechanical layers (free items; w line width, h text height)
Top Overlay:
  drawing of 186 lines, arcs and shapes, not listed
  text "5V_ON" at 2275.63,2942.46 h100 r270
  text "I2C" at 867.53,2931.26 h80
  text "DIGITAL_IN" at 1338.18,2931.26 h80
  text "5V" at 1742.53,2931.26 h80
  text "GND" at 1892.53,2931.26 h80
  text "Zachary Santiana / UConn CompE '26" at 2619.68,2875 h40
  text "SDA" at 1050,2821.26 h80
  text "SCL" at 705,2816.26 h80
  text "12V_ON" at 3065.63,2612.46 h100 r270
  text "ARDUINO_PWR" at 1972.82,2524.37 h100 r180
  text "3V3" at 68.74,2475 h80 r90
  text "D5" at 1350,2443.74 h80 r180
  text "D4" at 1475,2443.74 h80 r180
  text "D3" at 1575,2443.74 h80 r180
  text "D2" at 1675,2443.74 h80 r180
  text "GND" at 68.74,2390 h80 r90
  text "SDA" at 68.74,2315 h80 r90
  text "12V" at 3131.26,2257.47 h80 r270
  text "SCL" at 68.74,2240 h80 r90
  text "3V3_ON" at 345.63,2172.46 h100 r270
  text "GND" at 3131.26,2107.47 h80 r270
  text "NUWC_PWR_SENSOR_HUB / ECE4902_2622_003" at 685.25,1941.31 h40
  text "A1" at 2631.26,1875 h80 r270
  text "ANALOG_OUT" at 3131.26,1823.64 h80 r270
  text "A0" at 2631.26,1655 h80 r270
  text "D3" at 2050,1143.74 h80 r180
  text "D5" at 1050,1106.26 h80
  text "D4" at 1550,1106.26 h80
  text "D2" at 2525,1106.26 h80
  text "10A" at 225,275 h150
  text "2A" at 2875,275 h150
  text "- PUMP A +" at 795,35 h100
  text "- PUMP B +" at 1274.11,35 h100
  text "- SOLENOID A +" at 1740.71,35 h100
  text "- SOLENOID B +" at 2245,35 h100
Bottom Overlay:
  text "D5" at 1296.23,2927.81 h100
  text "D4" at 1376.23,2927.81 h100
  text "D3" at 1456.23,2927.81 h100
  text "D2" at 1536.23,2927.81 h100
  text "UConn Senior Design /  / ECE 2622: / Nicholas Amter / Alessandro Ripari / Zachary Santiana /  / ME 29: / Adam Aduibert / Michael Federlin / Wesley Frank" at 3120,542.39 h40

## Text inside footprints (layer, text, board x,y; h text height)
J10: Mechanical 13 "PTH D0.5 +/- 0.05" at 777.36,2574.41 h19.68
U1: Top Overlay "*" at 2591,2485 h50 r90; Mechanical 13 "*" at 2644,2544 h50 r90
U3: Top Overlay "*" at 562,2652 h50; Mechanical 13 "*" at 620.5,2609 h50